# KiCad board reform2-keyboard.kicad_pcb (continued)
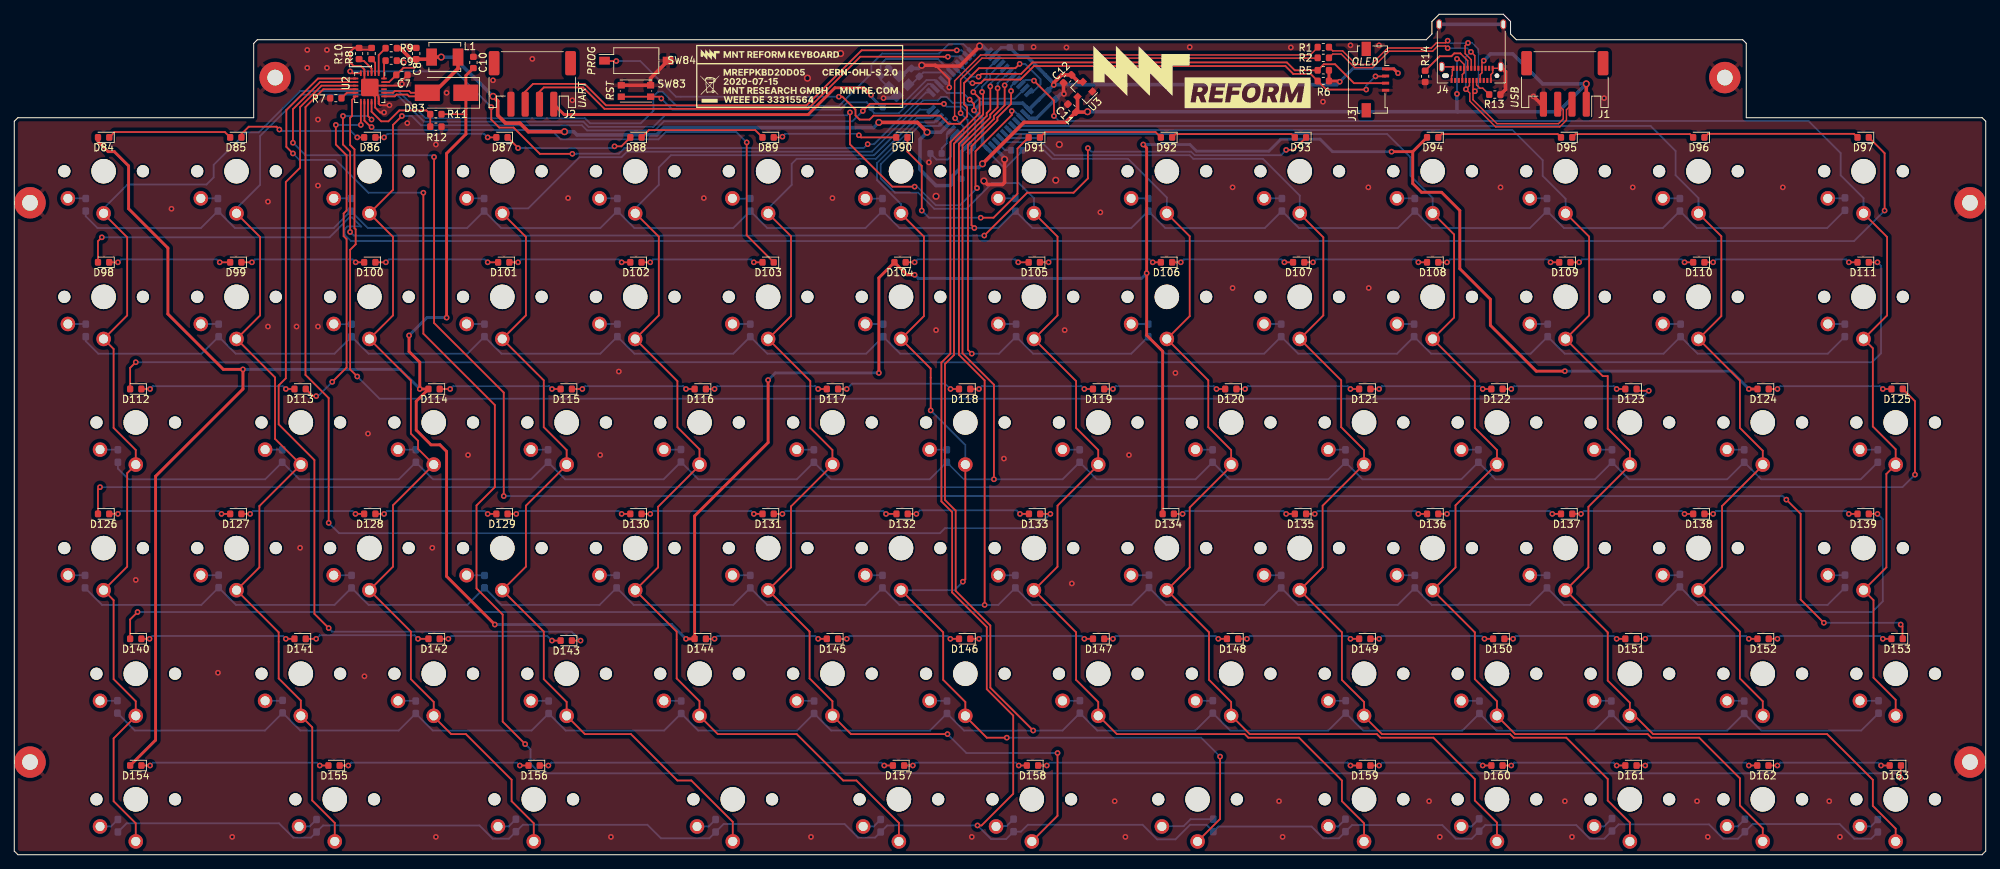
[diagram p0: board, top side]
## Routing (per net, layer and track width the routed paths; a pad name or vN(x,y) marks a point on that pad's centre or on a via; arc(x,y) is an arc through that point) (continued)
Net-(D33-Pad2): length 2.4
  Bottom w0.25: SW33.2 111.88,56.76 D33.2
Net-(D34-Pad2): length 2.5
  Bottom w0.25: SW34.2 102.97,39.16 D34.2
Net-(D35-Pad2): length 2.4
  Bottom w0.25: SW35.2 111.91,21.56 D35.2
Net-(D36-Pad2): length 2.8
  Bottom w0.25: D36.2 138.88,4.01 137.45,4.01
Net-(D37-Pad2): length 2.4
  Bottom w0.25: D37.2 119.12,91.94 SW37.2
Net-(D38-Pad2): length 2.5
  Bottom w0.25: D38.2 121.58,74.36 SW38.2
Net-(D39-Pad2): length 2.4
  Bottom w0.25: D39.2 130.47,56.76 SW39.2
Net-(D40-Pad2): length 2.4
  Bottom w0.25: SW40.2 121.47,39.16 D40.2
Net-(D41-Pad2): length 2.4
  Bottom w0.25: SW41.2 130.51,21.56 D41.2
Net-(D42-Pad2): length 7.6
  Bottom w0.25: 160.6,4 163.64,4 164.63,4.99 D42.2
Net-(D43-Pad2): length 2.4
  Bottom w0.25: D43.2 140.07,91.96 SW43.2
Net-(D44-Pad2): length 2.5
  Bottom w0.25: D44.2 140.18,74.36 SW44.2
Net-(D45-Pad2): length 2.4
  Bottom w0.25: D45.2 149.07,56.76 SW45.2
Net-(D46-Pad2): length 2.4
  Bottom w0.25: D46.2 140.07,39.16 SW46.2
Net-(D47-Pad2): length 2.4
  Bottom w0.25: SW47.2 149.11,21.56 D47.2
Net-(D48-Pad2): length 2.8
  Bottom w0.25: SW48.2 185.28,3.96 D48.2
Net-(D49-Pad2): length 2.4
  Bottom w0.25: D49.2 158.68,91.96 SW49.2
Net-(D50-Pad2): length 2.4
  Bottom w0.25: D50.2 158.68,74.36 SW50.2
Net-(D51-Pad2): length 2.4
  Bottom w0.25: D51.2 167.68,56.76 SW51.2
Net-(D52-Pad2): length 2.5
  Bottom w0.25: SW52.2 158.78,39.16 D52.2
Net-(D53-Pad2): length 2.4
  Bottom w0.25: SW53.2 167.71,21.56 D53.2
Net-(D54-Pad2): length 2.9
  Bottom w0.25: SW54.2 203.93,3.96 D54.2
Net-(D55-Pad2): length 2.5
  Bottom w0.25: D55.2 177.38,91.96 SW55.2
Net-(D56-Pad2): length 2.4
  Bottom w0.25: SW56.2 177.28,74.36 D56.2
Net-(D57-Pad2): length 2.4
  Bottom w0.25: SW57.2 186.28,56.76 D57.2
Net-(D58-Pad2): length 2.4
  Bottom w0.25: SW58.2 177.28,39.16 D58.2
Net-(D59-Pad2): length 2.4
  Bottom w0.25: SW59.2 186.31,21.56 D59.2
Net-(D60-Pad2): length 3
  Bottom w0.25: SW60.2 222.49,3.96 D60.2
Net-(D61-Pad2): length 2.5
  Bottom w0.25: D61.2 195.97,91.96 SW61.2
Net-(D62-Pad2): length 2.4
  Bottom w0.25: SW62.2 195.88,74.36 D62.2
Net-(D63-Pad2): length 2.4
  Bottom w0.25: SW63.2 204.88,56.76 D63.2
Net-(D64-Pad2): length 2.5
  Bottom w0.25: SW64.2 195.97,39.16 D64.2
Net-(D65-Pad2): length 2.6
  Bottom w0.25: SW65.2 205.03,21.56 D65.2
Net-(D66-Pad2): length 2.9
  Bottom w0.25: D66.2 241.19,3.96 SW66.2
Net-(D67-Pad2): length 2.4
  Bottom w0.25: D67.2 214.47,91.96 SW67.2
Net-(D68-Pad2): length 2.5
  Bottom w0.25: SW68.2 214.57,74.36 D68.2
Net-(D69-Pad2): length 2.5
  Bottom w0.25: SW69.2 223.57,56.76 D69.2
Net-(D70-Pad2): length 2.4
  Bottom w0.25: D70.2 214.47,39.16 SW70.2
Net-(D71-Pad2): length 2.4
  Bottom w0.25: SW71.2 223.47,21.56 D71.2
Net-(D72-Pad2): length 2.9
  Bottom w0.25: SW72.2 259.82,3.96 D72.2
Net-(D73-Pad2): length 2.4
  Bottom w0.25: D73.2 233.07,91.96 SW73.2
Net-(D74-Pad2): length 2.5
  Bottom w0.25: D74.2 233.18,74.36 SW74.2
Net-(D75-Pad2): length 2.4
  Bottom w0.25: SW75.2 242.07,56.76 D75.2
Net-(D76-Pad2): length 2.4
  Bottom w0.25: D76.2 232.99,39.16 SW76.2
Net-(D77-Pad2): length 2.4
  Bottom w0.25: D77.2 242.07,21.56 SW77.2
Net-(D78-Pad2): length 2.4
  Bottom w0.25: SW78.2 256.12,91.96 D78.2
Net-(D79-Pad2): length 2.4
  Bottom w0.25: SW79.2 256.16,74.36 D79.2
Net-(D80-Pad2): length 2.5
  Bottom w0.25: SW80.2 260.77,56.76 D80.2
Net-(D81-Pad2): length 2.4
  Bottom w0.25: D81.2 256.19,39.16 SW81.2
Net-(D82-Pad2): length 2.6
  Bottom w0.25: D82.2 260.88,21.56 SW82.2
Net-(D83-Pad2): length 20.5
  Top w0.25: U2.19 53.25,106.25 53.5,106.5 55,106.5 55.25,106.25 57.05,106.25 58.05,107.25 57.55,106.75 55.5,106.75 55.25,107 53.25,107 53,106.75 U2.20
  Top w0.5: L1.2 62.1,110.15 59.2,107.25 58.05,107.25
Net-(D84-Pad1): length 17.5
  Top w0.25: D85.2 29.46,101.25 14.04,101.25 D84.1
Net-(D85-Pad1): length 18.7
  Top w0.25: D85.1 31.79,100.97 32.81,102 36.7,102 v1(37.1,101.6) ; v1(48,100.5) D86.2
  Bottom w0.25: v1(48,100.5) 47.1,101.4 37.3,101.4 v1(37.1,101.6)
Net-(D86-Pad1): length 17.3
  Top w0.25: v1(66.25,100.5) D87.2 ; D86.1 v1(51.75,100.5)
  Bottom w0.25: v1(51.75,100.5) 52.25,101 65.75,101 v1(66.25,100.5)
Net-(D87-Pad1): length 18.4
  Top w0.25: v1(84,99.25) 84.96,99.25 D88.2 ; D87.1 70.5,99.04 v1(70.5,99)
  Bottom w0.25: v1(70.5,99) 83.75,99 v1(84,99.25)
Net-(D88-Pad1): length 17.8
  Top w0.25: D89.2 103.69,101.53 88.81,101.53 D88.1
Net-(D89-Pad1): length 17.6
  Top w0.25: D90.2 118.5,100.5 v1(118.2,100.8) ; v1(107.5,100.6) 107.4,100.5 D89.1
  Bottom w0.25: v1(107.5,100.6) 107.9,101 118,101 v1(118.2,100.8)
Net-(D90-Pad1): length 34.8
  Top w0.25: v1(135.25,89.25) 137.05,89.25 140.4,92.6 140.4,98.94 D91.2 ; v1(127,90.25) 127,96.5 125,98.5 D90.1
  Bottom w0.25: v1(135.25,89.25) 128,89.25 v1(127,90.25)
Net-(D91-Pad1): length 17.5
  Top w0.25: D91.1 144.29,101.25 159.71,101.25 D92.2
Net-(D92-Pad1): length 17.6
  Top w0.25: D93.2 178.75,100.96 162.5,100.96 D92.1
Net-(D93-Pad1): length 166.6
  Top w0.25: v1(47,87.25) 47,98.5 46,99.5 v1(46,103.5) ; v1(135.75,86.75) 141.75,92.75 148.25,92.75 150.25,94.75 v1(150.25,99) ; U2.15 49.5,103.5 v1(50,103) ; v1(178,98.75) 179.04,98.75 D93.1
  Bottom w0.25: v1(46,103.5) 49.5,103.5 v1(50,103) ; v1(178,98.75) 177.25,98 165.21,98 164.71,98.5 164.5,98.5 150.75,98.5 v1(150.25,99) ; v1(135.75,86.75) 47.5,86.75 v1(47,87.25)
Net-(D94-Pad1): length 17.6
  Top w0.25: D95.2 216,100.96 199.75,100.96 D94.1
Net-(D95-Pad1): length 17.3
  Top w0.25: D96.2 234.5,100.96 218.5,100.96 D95.1
Net-(D96-Pad1): length 21.8
  Top w0.25: D97.2 257.46,101 237.04,101 D96.1
Net-(D97-Pad1): length 273.8
  Top w0.25: v1(12.25,86.5) 11.71,85.96 D98.2 ; v1(261.75,90.25) 261.75,98.29 D97.1
  Bottom w0.25: v1(12.25,86.5) 44.12,86.5 46.91,89.28 47.29,89.28 48.55,88.03 46.63,88.03 46.22,87.62 46.22,86.88 47.13,85.97 257.47,85.97 v1(261.75,90.25)
Net-(D98-Pad1): length 17.3
  Top w0.25: v1(28.75,83) D99.2 ; D98.1 v1(14.5,83)
  Bottom w0.25: v1(14.5,83) 14.9,83.4 28.35,83.4 v1(28.75,83)
Net-(D100-Pad1): length 17.5
  Top w0.25: v1(66.25,83) D101.2 ; D100.1 v1(52,83)
  Bottom w0.25: v1(66.25,83) 65.85,83.4 52.4,83.4 v1(52,83)
Net-(D100-Pad2): length 17.5
  Top w0.25: D100.2 v1(47.78,83) ; D99.1 v1(33.25,83)
  Bottom w0.25: v1(33.25,83) 33.65,83.4 47.38,83.4 v1(47.78,83)
Net-(D101-Pad1): length 17.3
  Top w0.25: v1(85,83) D102.2 ; D101.1 v1(70.5,83)
  Bottom w0.25: v1(70.5,83) 70.9,83.4 84.6,83.4 v1(85,83)
Net-(D102-Pad1): length 17.3
  Top w0.25: v1(103.5,83) D103.2 ; D102.1 v1(89,83)
  Bottom w0.25: v1(89,83) 89.4,83.4 103.1,83.4 v1(103.5,83)
Net-(D103-Pad1): length 76.6
  Top w0.25: v1(102.5,99.8) 102.5,86.79 D103.1 ; v1(50,101.95) 49.9,101.95 49,102.85 U2.14
  Bottom w0.25: v1(102.5,99.8) 101.05,101.25 91.18,101.25 90.16,100.22 76.48,100.22 75.15,101.55 50.4,101.55 v1(50,101.95)
Net-(D104-Pad1): length 17.3
  Top w0.25: v1(140.5,83) 141.71,83 ; D104.1 v1(126,83)
  Bottom w0.25: v1(126,83) 126.4,83.4 140.1,83.4 v1(140.5,83)
Net-(D105-Pad1): length 17.3
  Top w0.25: D105.1 v1(144.75,83) ; D106.2 v1(159.33,83)
  Bottom w0.25: v1(159.33,83) 158.93,83.4 145.15,83.4 v1(144.75,83)
Net-(D106-Pad1): length 17.3
  Top w0.25: v1(177.75,83) D107.2 ; D106.1 v1(163.25,83)
  Bottom w0.25: v1(177.75,83) 177.35,83.4 163.65,83.4 v1(163.25,83)
Net-(D107-Pad1): length 17.5
  Top w0.25: D107.1 v1(181.75,83) ; D108.2 v1(196.5,83)
  Bottom w0.25: v1(181.75,83) 182.15,83.4 196.1,83.4 v1(196.5,83)
Net-(D108-Pad1): length 17.3
  Top w0.25: D108.1 v1(200.5,83) ; v1(215,83) D109.2
  Bottom w0.25: v1(215,83) 214.6,83.4 200.9,83.4 v1(200.5,83)
Net-(D109-Pad1): length 17.5
  Top w0.25: v1(233.75,83) D110.2 ; D109.1 v1(219,83)
  Bottom w0.25: v1(219,83) 219.4,83.4 233.35,83.4 v1(233.75,83)
Net-(D110-Pad1): length 21.8
  Top w0.25: v1(256.75,83) D111.2 ; D110.1 v1(237.75,83)
  Bottom w0.25: v1(237.75,83) 238.15,83.4 256.35,83.4 v1(256.75,83)
Net-(D111-Pad1): length 263
  Top w0.25: v1(260.75,83) D111.1 ; v1(17,69) 16.21,68.21 D112.2
  Bottom w0.25: v1(17,69) 260,69 261.25,70.25 261.25,82.5 v1(260.75,83)
Net-(D112-Pad1): length 21.8
  Top w0.25: D112.1 v1(19,65.25) ; v1(38,65.25) D113.2
  Bottom w0.25: v1(19,65.25) 19.4,65.65 37.6,65.65 v1(38,65.25)
Net-(D113-Pad1): length 49.5
  Top w0.25: U2.13 v1(48.5,102.25) ; v1(44.5,66.25) 46.5,68.25 46.5,86.25 46.09,86.66 46.09,89.84 46.5,90.25 46.5,98 45,99.5 v1(45,102.25) ; D113.1 41.79,64.25 v1(42.25,64.25)
  Bottom w0.25: v1(42.25,64.25) 42.5,64.25 v1(44.5,66.25) ; v1(48.5,102.25) v1(45,102.25)
Net-(D114-Pad1): length 17.3
  Top w0.25: v1(75.25,65.25) D115.2 ; D114.1 v1(61,65.25)
  Bottom w0.25: v1(61,65.25) 61.4,65.65 74.85,65.65 v1(75.25,65.25)
Net-(D115-Pad1): length 17.5
  Top w0.25: D115.1 v1(79.5,65.25) ; v1(94,65.25) D116.2
  Bottom w0.25: v1(94,65.25) 93.6,65.65 79.9,65.65 v1(79.5,65.25)
Net-(D116-Pad1): length 17.3
  Top w0.25: v1(112.5,65.25) D117.2 ; D116.1 v1(98,65.25)
  Bottom w0.25: v1(98,65.25) 98.4,65.65 112.1,65.65 v1(112.5,65.25)
Net-(D117-Pad1): length 17.5
  Top w0.25: D117.1 v1(116.5,65.25) ; v1(131.03,65.25) D118.2
  Bottom w0.25: v1(116.5,65.25) 117.25,66 130.28,66 v1(131.03,65.25)
Net-(D118-Pad1): length 17.5
  Top w0.25: v1(149.75,65.25) D119.2 ; D118.1 v1(135,65.25)
  Bottom w0.25: v1(149.75,65.25) 149.35,65.65 135.4,65.65 v1(135,65.25)
Net-(D119-Pad1): length 17.3
  Top w0.25: D119.1 v1(153.75,65.25) ; v1(168.25,65.25) D120.2
  Bottom w0.25: v1(153.75,65.25) 154.15,65.65 167.85,65.65 v1(168.25,65.25)
Net-(D120-Pad1): length 17.5
  Top w0.25: v1(187,65.25) D121.2 ; D120.1 v1(172.25,65.25)
  Bottom w0.25: v1(187,65.25) 186.6,65.65 172.65,65.65 v1(172.25,65.25)
Net-(D121-Pad1): length 17.3
  Top w0.25: v1(205.5,65.25) D122.2 ; D121.1 v1(191,65.25)
  Bottom w0.25: v1(205.5,65.25) 205.1,65.65 191.4,65.65 v1(191,65.25)
Net-(D122-Pad1): length 17.5
  Top w0.25: D122.1 v1(209.5,65.25) ; v1(224.25,65.25) D123.2
  Bottom w0.25: v1(224.25,65.25) 223.85,65.65 209.9,65.65 v1(209.5,65.25)
Net-(D123-Pad1): length 224.9
  Top w0.25: v1(48,67) 47,68 47,84.75 47.78,85.53 47.78,87.62 47.61,87.79 47.61,98.82 47,99.43 47,103.25 47.26,103.51 47.26,105.75 U2.12 ; v1(228.75,65) 227.29,65 D123.1
  Bottom w0.25: v1(228.75,65) 227.64,63.89 51.11,63.89 v1(48,67)
Net-(D124-Pad1): length 17.5
  Top w0.25: v1(261.5,65.25) D125.2 ; D124.1 v1(246.75,65.25)
  Bottom w0.25: v1(246.75,65.25) 247.15,65.65 261.1,65.65 v1(261.5,65.25)
Net-(D125-Pad1): length 271.3
  Top w0.25: D126.2 11.71,51.21 v1(12,51.5) ; D125.1 266,63.54 v1(266,53.25)
  Bottom w0.25: v1(12,51.5) 264.25,51.5 v1(266,53.25)
Net-(D126-Pad1): length 17.3
  Top w0.25: v1(29,47.75) D127.2 ; D126.1 v1(14.5,47.75)
  Bottom w0.25: v1(14.5,47.75) 14.9,48.15 28.6,48.15 v1(29,47.75)
Net-(D127-Pad1): length 17.5
  Top w0.25: D127.1 v1(33,47.75) ; v1(47.75,47.75) D128.2
  Bottom w0.25: v1(47.75,47.75) 47.35,48.15 33.4,48.15 v1(33,47.75)
Net-(D128-Pad1): length 17.3
  Top w0.25: D128.1 v1(51.75,47.75) ; v1(66.25,47.75) D129.2
  Bottom w0.25: v1(51.75,47.75) 52.15,48.15 65.85,48.15 v1(66.25,47.75)
Net-(D129-Pad1): length 17.5
  Top w0.25: D129.1 v1(70.25,47.75) ; v1(85,47.75) D130.2
  Bottom w0.25: v1(85,47.75) 84.6,48.15 70.65,48.15 v1(70.25,47.75)
Net-(D130-Pad1): length 17.3
  Top w0.25: v1(103.5,47.75) D131.2 ; D130.1 v1(89,47.75)
  Bottom w0.25: v1(103.5,47.75) 103.1,48.15 89.4,48.15 v1(89,47.75)
Net-(D131-Pad1): length 17.5
  Top w0.25: D131.1 v1(107.5,47.75) ; v1(122,47.75) D132.2
  Bottom w0.25: v1(122,47.75) 121.6,48.15 107.9,48.15 v1(107.5,47.75)
Net-(D132-Pad1): length 17.4
  Top w0.25: D132.1 v1(126.25,47.75) ; v1(140.75,47.75) D133.2
  Bottom w0.25: v1(126.25,47.75) 126.75,48.25 140.25,48.25 v1(140.75,47.75)
Net-(D133-Pad1): length 171.8
  Top w0.25: U2.10 43.25,107.25 40.75,104.75 40.75,67.22 44,63.97 v1(44,46.5) ; v1(145,47.75) D133.1
  Bottom w0.25: v1(44,46.5) 45.45,45.05 129.55,45.05 130.25,45.75 143,45.75 v1(145,47.75)
Net-(D134-Pad1): length 17.3
  Top w0.25: v1(178,47.75) D135.2 ; D134.1 v1(163.5,47.75)
  Bottom w0.25: v1(178,47.75) 177.6,48.15 163.9,48.15 v1(163.5,47.75)
Net-(D135-Pad1): length 17.3
  Top w0.25: D135.1 v1(182,47.75) ; v1(196.5,47.75) D136.2
  Bottom w0.25: v1(196.5,47.75) 196.1,48.15 182.4,48.15 v1(182,47.75)
Net-(D136-Pad1): length 17.5
  Top w0.25: v1(215.25,47.75) D137.2 ; D136.1 v1(200.5,47.75)
  Bottom w0.25: v1(215.25,47.75) 214.85,48.15 200.9,48.15 v1(200.5,47.75)
Net-(D137-Pad1): length 17.3
  Top w0.25: D137.1 v1(219.25,47.75) ; v1(233.75,47.75) D138.2
  Bottom w0.25: v1(219.25,47.75) 219.65,48.15 233.35,48.15 v1(233.75,47.75)
Net-(D138-Pad1): length 21.8
  Top w0.25: D138.1 v1(237.75,47.75) ; v1(256.75,47.75) D139.2
  Bottom w0.25: v1(237.75,47.75) 238.15,48.15 256.35,48.15 v1(256.75,47.75)
Net-(D139-Pad1): length 262.8
  Top w0.25: v1(260.75,47.75) D139.1 ; D140.2 16.21,32.96 v1(17.25,34)
  Bottom w0.25: v1(17.25,34) 260,34 261.5,35.5 261.5,47 v1(260.75,47.75)
Net-(D140-Pad1): length 21.8
  Top w0.25: v1(38,30.25) D141.2 ; D140.1 v1(18.92,30.25)
  Bottom w0.25: v1(18.92,30.25) 19.32,30.65 37.6,30.65 v1(38,30.25)
Net-(D141-Pad1): length 17.3
  Top w0.25: v1(56.5,30.25) 57.71,30.25 ; D141.1 v1(42.25,30.25)
  Bottom w0.25: v1(42.25,30.25) 42.75,30.75 56,30.75 v1(56.5,30.25)
Net-(D142-Pad1): length 17.4
  Top w0.25: D142.1 v1(60.75,30.25) ; v1(75.25,30) D143.2
  Bottom w0.25: v1(75.25,30) 74.6,30.65 61.15,30.65 v1(60.75,30.25)
Net-(D143-Pad1): length 123.3
  Top w0.25: v1(79.25,30) D143.1 ; U2.9 43,107.75 40,104.75 40,96.25 38,94.25 38,66.75 37,65.75 37,60.3 42,55.3 42,33.75 v1(44,31.75)
  Bottom w0.25: v1(79.25,30) 78,31.25 44.5,31.25 v1(44,31.75)
Net-(D144-Pad1): length 17.3
  Top w0.25: D144.1 v1(98,30.25) ; v1(112.5,30.25) D145.2
  Bottom w0.25: v1(112.5,30.25) 112.1,30.65 98.4,30.65 v1(98,30.25)
Net-(D145-Pad1): length 17.3
  Top w0.25: D145.1 v1(116.5,30.25) ; v1(131,30.25) D146.2
  Bottom w0.25: v1(131,30.25) 130.6,30.65 116.9,30.65 v1(116.5,30.25)
Net-(D146-Pad1): length 17.5
  Top w0.25: D146.1 v1(135,30.25) ; v1(149.75,30.25) D147.2
  Bottom w0.25: v1(135,30.25) 135.4,30.65 149.35,30.65 v1(149.75,30.25)
Net-(D147-Pad1): length 17.5
  Top w0.25: D147.1 v1(153.75,30.25) ; v1(168.5,30.25) D148.2
  Bottom w0.25: v1(168.5,30.25) 168.1,30.65 154.15,30.65 v1(153.75,30.25)
Net-(D148-Pad1): length 17.3
  Top w0.25: D148.1 v1(172.5,30.25) ; v1(187,30.25) D149.2
  Bottom w0.25: v1(172.5,30.25) 172.9,30.65 186.6,30.65 v1(187,30.25)
Net-(D149-Pad1): length 17.5
  Top w0.25: D149.1 v1(191,30.25) ; v1(205.75,30.25) D150.2
  Bottom w0.25: v1(205.75,30.25) 205.35,30.65 191.4,30.65 v1(191,30.25)
Net-(D150-Pad1): length 17.3
  Top w0.25: v1(224.25,30.25) D151.2 ; D150.1 v1(209.75,30.25)
  Bottom w0.25: v1(209.75,30.25) 210.15,30.65 223.85,30.65 v1(224.25,30.25)
Net-(D151-Pad1): length 17.3
  Top w0.25: D151.1 v1(228.25,30.25) ; v1(242.75,30.25) D152.2
  Bottom w0.25: v1(242.75,30.25) 242.35,30.65 228.65,30.65 v1(228.25,30.25)
Net-(D152-Pad1): length 17.5
  Top w0.25: v1(261.5,30.25) D153.2 ; D152.1 v1(246.75,30.25)
  Bottom w0.25: v1(261.5,30.25) 261.1,30.65 247.15,30.65 v1(246.75,30.25)
Net-(D153-Pad1): length 299.3
  Top w0.25: v1(39,99.75) 39,104.46 42.79,108.25 U2.8 ; v1(68.5,50.25) 68.5,64.75 58.75,74.5 v1(58.75,97.75) ; v1(264,32.25) 264.25,32 264.25,30.29 D153.1 ; v1(248,49.75) 250,47.75 250,35.75 v1(253.25,32.5)
  Bottom w0.25: v1(39,99.75) 40.75,98 58.5,98 v1(58.75,97.75) ; v1(68.5,50.25) 247.5,50.25 v1(248,49.75) ; v1(264,32.25) 263.75,32.5 v1(253.25,32.5)
Net-(D154-Pad1): length 26.5
  Top w0.25: v1(42.75,12.5) D155.2 ; D154.1 v1(19,12.5)
  Bottom w0.25: v1(19,12.5) 19.4,12.9 42.35,12.9 v1(42.75,12.5)
Net-(D155-Pad1): length 26.8
  Top w0.25: D155.1 v1(46.75,12.5) ; v1(70.75,12.5) D156.2
  Bottom w0.25: v1(46.75,12.5) 47.15,12.9 70.35,12.9 v1(70.75,12.5)
Net-(D156-Pad1): length 49.8
  Top w0.25: D156.1 v1(74.75,12.5) ; v1(121.75,12.5) D157.2
  Bottom w0.25: v1(74.75,12.5) 75.15,12.9 121.35,12.9 v1(121.75,12.5)
Net-(D157-Pad1): length 17.5
  Top w0.25: D157.1 v1(125.75,12.5) ; v1(140.57,12.5) D158.2
  Bottom w0.25: v1(140.57,12.5) 140.18,12.9 126.15,12.9 v1(125.75,12.5)
Net-(D158-Pad1): length 45.3
  Top w0.25: v1(187,12.5) D159.2 ; D158.1 v1(144.5,12.5)
  Bottom w0.25: v1(144.5,12.5) 144.9,12.9 186.6,12.9 v1(187,12.5)
Net-(D159-Pad1): length 17.3
  Top w0.25: D159.1 v1(191,12.5) ; v1(205.5,12.5) D160.2
  Bottom w0.25: v1(205.5,12.5) 205.1,12.9 191.4,12.9 v1(191,12.5)
Net-(D160-Pad1): length 17.5
  Top w0.25: v1(224.25,12.5) D161.2 ; D160.1 v1(209.5,12.5)
  Bottom w0.25: v1(209.5,12.5) 209.9,12.9 223.85,12.9 v1(224.25,12.5)
Net-(D161-Pad1): length 17.2
  Top w0.25: v1(242.75,12.5) D162.2 ; D161.1 v1(228.25,12.5)
  Bottom w0.25: v1(228.25,12.5) 228.65,12.9 242.35,12.9 v1(242.75,12.5)
Net-(D162-Pad1): length 17.3
  Top w0.25: v1(261.25,12.5) D163.2 ; D162.1 v1(246.75,12.5)
  Bottom w0.25: v1(261.25,12.5) 260.85,12.9 247.15,12.9 v1(246.75,12.5)
Net-(D163-Pad1): length 321.2
  Top w0.25: v1(39,98.25) 38.08,99.17 38.08,104.33 42.5,108.75 U2.7 ; v1(57.25,92.75) 57.25,73 67.25,63 67.25,51.5 64.69,48.94 64.69,37.31 68.35,33.65 68.35,18.65 v1(71.5,15.5) ; v1(264,10.75) 264,12.46 D163.1
  Bottom w0.25: v1(264,10.75) 263.35,11.4 73.6,11.4 72.25,12.75 72.25,14.75 v1(71.5,15.5) ; v1(39,98.25) 39.9,97.35 44.96,97.35 49.56,92.75 v1(57.25,92.75)
Net-(J4-PadA5): length 3
  Top w0.2: J4.A5 204.65,107.85 205.1,107.4 205.51,107.4 R13.2
Net-(J4-PadB5): length 8.5
  Top w0.2: 202.4,112.25 203.4,111.25 J4.B5
  Top w0.25: 202.4,112.25 202.37,112.28 201.53,112.28 201.12,111.87 199.48,111.87 R14.1
Net-(R4-Pad1): length 2.4
  Bottom w0.25: U1.42 138.66,98.7 139.43,98.7
Net-(R7-Pad1): length 2.3
  Top w0.25: U2.11 46.54,106.75 R7.1
Net-(R8-Pad1): length 2.2
  Top w0.25: R8.1 50.5,110.96 U2.2
Net-(R9-Pad2): length 3.9
  Top w0.25: R9.2 51,112.04 U2.1
Net-(R10-Pad1): length 2.9
  Top w0.25: 48.25,111.21 48.94,111.21 50,110.15 U2.3
Net-(R11-Pad2): length 12.8
  Top w0.25: U2.16 50,104.1 51.35,102.75 52.35,102.75 53.88,104.28 57.69,104.28 R11.2 R12.1

## Copper pours and planes (outline as drawn; the poured copper is in the pictures)
GND on Top: 0.1,119.4 276.1,119.4 276,-0.5 0,-0.5
GND on Bottom: 0.1,119.4 276.1,119.4 276,-0.5 0,-0.5

## Text on the board
F.SilkS: OLED | UART | PROG | RST | USB
